# Altium PCB PCB1-nano-withlogo-SMT.PcbDoc (part 4 of 5)
Units mil, origin at the board's own origin, x right, y up, seen from the top; angles counter-clockwise.
Board outline 3300 x 2100 mil, 2 copper layers (Top Layer, Bottom Layer); 48 components, 47 nets, 232 pads, 66 vias.
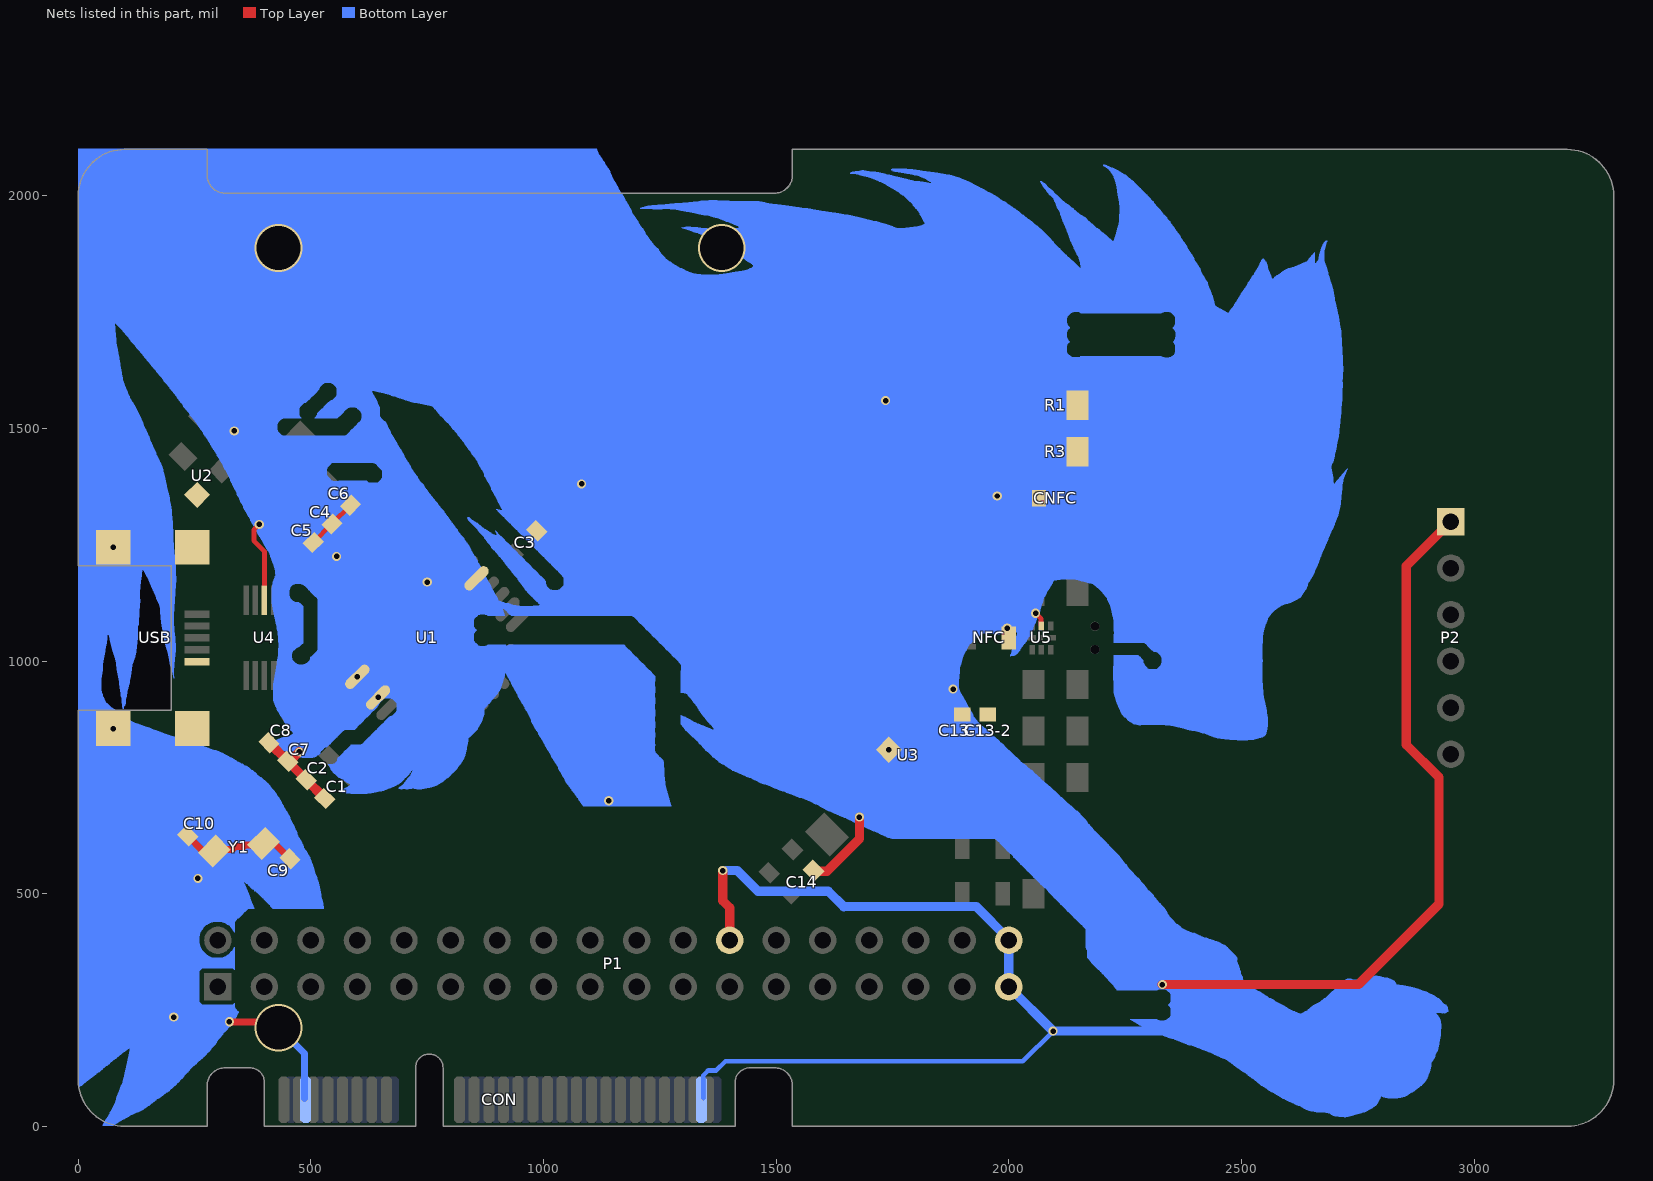
[diagram p4: the nets of this part, all layers, seen from the top]

## Via types
v1: diameter 19.68, hole 11.81, Top Layer to Bottom Layer, 55 vias
v2: diameter 20, hole 19.5, Top Layer to Bottom Layer, tented both sides, 8 vias
v3: diameter 102.36, hole 94.49, Top Layer to Bottom Layer, 3 vias

## Nets (pads, with @x,y where several pads share a name; then routed paths per layer and width w, separated by ;. In a path a pad name is that pad's centre, name@x,y a point inside that pad or via, vN(x,y) a via of type N, cw(c..) or ccw(c..) an arc to the next point about the centre after c; other vN are vias at no path point) (continued)
GND: (continued)
  Bottom Layer w1: 1059,726 1264,726 ; 1060,724 1265,724 ; 1060,725 1264,725 ; 1061,723 1265,723 ; 1062,722 1265,722 ; 1063,721 1265,721 ; 1064,719 1266,719 ; 1064,720 1266,720 ; 1065,718 1266,718 ; 1066,717 1266,717 ; 1067,715 1267,715 ; 1067,716 1267,716 ; 1068,714 1267,714 ; 1069,712 1268,712 ; 1069,713 1268,713 ; 1070,711 1268,711 ; 1071,709 1269,709 ; 1071,710 1268,710 ; 1072,708 1269,708 ; 1073,707 1269,707 ; 1074,705 1270,705 ; 1074,706 1269,706 ; 1075,704 1270,704 ; 1076,702 1270,702 ; 1076,703 1270,703 ; 1077,701 1271,701 ; 1078,700 1271,700 ; 1079,698 1271,698 ; 1079,699 1271,699 ; 1080,697 1272,697 ; 1081,695 1272,695 ; 1081,696 1272,696 ; 1082,693 1273,693 ; 1082,694 1273,694 ; 1083,692 1273,692 ; 1084,690 1274,690 ; 1084,691 1273,691 ; 1085,689 1274,689 ; 1191,1098 v1@2063,1098 ; 1193,1097 v1@2062,1097 ; 1194,1096 v1@2062,1096 ; 1195,1095 v1@2062,1095 ; 1196,1094 v1@2061,1094 ; 1197,1093 2061,1093 ; 1198,1092 2060,1092 ; 1199,1091 2060,1091 ; 1200,1090 2060,1090 ; 1201,1089 2059,1089 ; 1202,1088 2059,1088 ; 1203,1087 2059,1087 ; 1204,1086 2058,1086 ; 1205,1085 2058,1085 ; 1206,1084 2058,1084 ; 1207,1083 2057,1083 ; 1208,1082 2057,1082 ; 1208,1973 1209,1973 ; 1208,1974 1562,1974 ; 1209,1081 2056,1081 ; 1209,1975 1555,1975 ; 1210,1080 2056,1080 ; 1211,1079 2055,1079 ; 1212,1078 2055,1078 ; 1212,1976 1549,1976 ; 1213,1077 2054,1077 ; 1214,1076 2054,1076 ; 1214,1973 1568,1973 ; 1215,1075 2054,1075 ; 1216,1074 2053,1074 ; 1216,1977 1541,1977 ; 1217,1073 2053,1073 ; 1218,1072 2052,1072 ; 1219,1071 2052,1071 ; 1220,1070 2051,1070 ; 1220,1978 1534,1978 ; 1221,1069 2051,1069 ; 1222,1068 2050,1068 ; 1223,1067 2050,1067 ; 1224,1066 2049,1066 ; 1224,1979 1527,1979 ; 1225,1065 2049,1065 ; 1226,1064 2049,1064 ; 1227,1063 2048,1063 ; 1228,1062 1237,1071 ; 1229,1061 2004,1061 ; 1230,1060 1943,1060 ; 1231,1059 1942,1059 ; 1232,1058 1940,1058 ; 1232,1980 1519,1980 ; 1233,1057 1939,1057 ; 1234,1056 1938,1056 ; 1235,1055 1936,1055 ; 1235,1972 1255,1972 ; 1236,1054 1935,1054 ; 1237,1053 1934,1053 ; 1238,1052 1933,1052 ; 1239,1051 1931,1051 ; 1240,1050 1930,1050 ; 1241,1049 1929,1049 ; 1242,1048 1928,1048 ; 1243,1047 1927,1047 ; 1244,1046 1926,1046 ; 1245,1045 1925,1045 ; 1245,1981 1511,1981 ; 1246,1044 1923,1044 ; 1247,1043 1922,1043 ; 1248,1042 1921,1042 ; 1249,1041 1920,1041 ; 1250,1040 1919,1040 ; 1251,1039 1918,1039 ; 1252,1038 1917,1038 ; 1253,1037 1916,1037 ; 1254,1036 1915,1036 ; 1255,1035 1915,1035 ; 1256,1034 1914,1034 ; 1257,1033 1913,1033 ; 1258,1032 1913,1032 ; 1259,1031 1912,1031 ; 1260,1030 1912,1030 ; 1261,1029 1911,1029 ; 1262,1028 1911,1028 ; 1262,1982 1502,1982 ; 1263,1027 1910,1027 ; 1264,1026 1909,1026 ; 1265,1025 1909,1025 ; 1266,1024 1908,1024 ; 1267,1023 1908,1023 ; 1268,1022 1907,1022 ; 1269,1021 1906,1021 ; 1270,1020 1906,1020 ; 1271,1019 1905,1019 ; 1271,1983 1492,1983 ; 1272,1018 1905,1018 ; 1272,1972 1574,1972 ; 1273,1017 1904,1017 ; 1274,1016 1904,1016 ; 1275,1015 1903,1015 ; 1276,1014 1903,1014 ; 1277,1013 1902,1013 ; 1278,1012 1902,1012 ; 1279,1011 1902,1011 ; 1280,1010 1901,1010 ; 1281,1009 1901,1009 ; 1282,1008 1901,1008 ; 1282,1984 1484,1984 ; 1283,1007 1901,1007 ; 1284,1006 1900,1006 ; 1285,1005 1900,1005 ; 1285,1971 1579,1971 ; 1286,1004 1900,1004 ; 1287,1003 1900,1003 ; 1288,1002 1899,1002 ; 1289,1001 1899,1001 ; 1290,1000 1899,1000 ; 1290,1970 1585,1970 ; 1291,999 1899,999 ; 1292,998 1898,998 ; 1293,997 1898,997 ; 1294,996 1898,996 ; 1295,865 1333,865 ; 1295,866 1331,866 ; 1295,867 1329,867 ; 1295,868 1328,868 ; 1295,869 1326,869 ; 1295,870 1323,870 ; 1295,871 1321,871 ; 1295,872 1319,872 ; 1295,873 1317,873 ; 1295,874 1316,874 ; 1295,875 1314,875 ; 1295,876 1312,876 ; 1295,877 1310,877 ; 1295,878 1308,878 ; 1295,879 1306,879 ; 1295,880 1304,880 ; 1295,881 1302,881 ; 1295,882 1300,882 ; 1295,883 1298,883 ; 1295,884 1296,884 ; 1295,933 1896,933 ; 1295,934 1896,934 ; 1295,935 1895,935 ; 1295,936 1895,936 ; 1295,937 1894,937 ; 1295,938 1894,938 ; 1295,939 1893,939 ; 1295,940 1893,940 ; 1295,941 1893,941 ; 1295,942 1892,942 ; 1295,943 1892,943 ; 1295,944 1892,944 ; 1295,945 1892,945 ; 1295,946 1892,946 ; 1295,947 1892,947 ; 1295,948 1892,948 ; 1295,949 1892,949 ; 1295,950 1892,950 ; 1295,951 1892,951 ; 1295,952 1892,952 ; 1295,953 1892,953 ; 1295,954 1892,954 ; 1295,955 1892,955 ; 1295,956 1892,956 ; 1295,957 1892,957 ; 1295,958 1892,958 ; 1295,959 1892,959 ; 1295,960 1892,960 ; 1295,961 1892,961 ; 1295,962 1892,962 ; 1295,963 1893,963 ; 1295,964 1893,964 ; 1295,965 1893,965 ; 1295,966 1893,966 ; 1295,967 1893,967 ; 1295,968 1893,968 ; 1295,969 1893,969 ; 1295,970 1893,970 ; 1295,971 1893,971 ; 1295,972 1893,972 ; 1295,973 1893,973 ; 1295,974 1894,974 ; 1295,975 1894,975 ; 1295,976 1894,976 ; 1295,977 1894,977 ; 1295,978 1894,978 ; 1295,979 1894,979 ; 1295,993 1897,993 ; 1295,994 1898,994 ; 1295,995 1898,995 ; 1295,1969 1591,1969 ; 1296,864 1336,864 ; 1296,980 1894,980 ; 1296,981 1894,981 ; 1296,982 1894,982 ; 1296,983 1895,983 ; 1296,984 1895,984 ; 1296,985 1895,985 ; 1296,986 1895,986 ; 1296,987 1895,987 ; 1296,988 1895,988 ; 1296,989 1896,989 ; 1296,990 1896,990 ; 1296,991 1896,991 ; 1296,992 1897,992 ; 1297,863 1338,863 ; 1297,1933 1298,1933 ; 1298,861 1344,861 ; 1298,862 1341,862 ; 1298,1932 1338,1932 ; 1299,860 1346,860 ; 1299,1985 1479,1985 ; 1300,859 1349,859 ; 1301,858 1352,858 ; 1301,1931 1343,1931 ; 1301,1933 1331,1933 ; 1301,1968 1597,1968 ; 1302,856 1357,856 ; 1302,857 1354,857 ; 1302,932 1897,932 ; 1303,855 1359,855 ; 1303,1930 1351,1930 ; 1304,854 1361,854 ; 1305,853 1952,853 ; 1306,852 1953,852 ; 1306,1929 v3@1361,1929 ; 1306,1934 1316,1934 ; 1307,851 1954,851 ; 1307,931 1897,931 ; 1307,1967 1605,1967 ; 1308,850 1955,850 ; 1309,849 1956,849 ; 1309,930 1898,930 ; 1309,1928 2070,1928 ; 1310,848 1957,848 ; 1310,928 1899,928 ; 1310,929 1899,929 ; 1311,847 1959,847 ; 1311,927 1900,927 ; 1312,846 1960,846 ; 1312,925 1901,925 ; 1312,926 1900,926 ; 1312,1927 2071,1927 ; 1312,1986 1475,1986 ; 1313,845 1961,845 ; 1313,924 1901,924 ; 1314,844 1962,844 ; 1314,923 1902,923 ; 1314,1966 1612,1966 ; 1315,843 1963,843 ; 1315,922 1902,922 ; 1315,1926 2072,1926 ; 1316,842 1964,842 ; 1316,920 1903,920 ; 1316,921 1903,921 ; 1317,841 1965,841 ; 1317,919 1904,919 ; 1318,840 1966,840 ; 1318,918 1904,918 ; 1318,1925 2073,1925 ; 1319,917 1905,917 ; 1320,839 1967,839 ; 1320,916 1906,916 ; 1320,1965 1619,1965 ; 1321,838 1969,838 ; 1321,915 1906,915 ; 1321,1924 2074,1924 ; 1322,837 1970,837 ; 1322,913 1907,913 ; 1322,914 1907,914 ; 1322,1987 1470,1987 ; 1323,836 1971,836 ; 1323,912 1908,912 ; 1323,1923 2075,1923 ; 1324,835 1972,835 ; 1324,911 1908,911 ; 1325,834 1973,834 ; 1325,909 1909,909 ; 1325,910 1909,910 ; 1325,1964 1628,1964 ; 1326,833 1974,833 ; 1326,908 1910,908 ; 1327,832 1976,832 ; 1327,906 1911,906 ; 1327,907 1911,907 ; 1327,1922 2076,1922 ; 1328,831 1977,831 ; 1328,905 1912,905 ; 1329,830 1978,830 ; 1329,904 1912,904 ; 1329,1963 1634,1963 ; 1330,902 1913,902 ; 1330,903 1913,903 ; 1331,828 1980,828 ; 1331,829 1979,829 ; 1331,900 1914,900 ; 1331,901 1914,901 ; 1332,827 1981,827 ; 1332,899 1915,899 ; 1332,1921 2077,1921 ; 1333,826 1982,826 ; 1333,897 1916,897 ; 1333,898 1915,898 ; 1333,1920 2078,1920 ; 1333,1962 1640,1962 ; 1334,825 1984,825 ; 1334,896 1917,896 ; 1334,1988 1464,1988 ; 1335,824 1985,824 ; 1335,894 1918,894 ; 1335,895 1917,895 ; 1335,1989 1453,1989 ; 1336,823 1986,823 ; 1336,893 1918,893 ; 1337,822 1987,822 ; 1337,891 1919,891 ; 1337,892 1919,892 ; 1337,1919 2079,1919 ; 1338,821 1988,821 ; 1338,890 1920,890 ; 1338,1990 1399,1990 ; 1339,820 1989,820 ; 1339,888 1921,888 ; 1339,889 1921,889 ; 1339,1961 1645,1961 ; 1340,819 1990,819 ; 1340,887 1922,887 ; 1340,1918 2080,1918 ; 1341,817 1991,817 ; 1341,818 1990,818 ; 1341,886 1922,886 ; 1342,816 1992,816 ; 1342,884 1923,884 ; 1342,885 1923,885 ; 1343,815 1993,815 ; 1343,883 1924,883 ; v3@1343,1917 2081,1917 ; 1344,814 1994,814 ; 1344,882 1924,882 ; 1344,1960 1649,1960 ; 1345,813 1995,813 ; 1345,881 1925,881 ; v3@1345,1916 2082,1916 ; 1346,812 1997,812 ; 1346,879 1926,879 ; 1346,880 1925,880 ; 1347,811 1998,811 ; 1347,878 1927,878 ; v3@1347,1915 2083,1915 ; 1348,810 1999,810 ; 1348,877 1928,877 ; 1349,809 2000,809 ; 1349,876 1928,876 ; v3@1349,1914 2084,1914 ; 1350,808 2001,808 ; 1350,875 1929,875 ; v3@1350,1913 2085,1913 ; 1351,807 2002,807 ; 1351,873 1931,873 ; 1351,874 1930,874 ; 1351,1959 1655,1959 ; 1352,806 2003,806 ; 1352,872 1932,872 ; v3@1352,1912 2086,1912 ; 1353,871 1932,871 ; 1354,805 2004,805 ; 1354,870 1933,870 ; v3@1354,1911 2087,1911 ; 1355,804 2005,804 ; 1355,869 1934,869 ; 1355,1958 1660,1958 ; 1355,1991 1373,1991 ; 1356,803 2006,803 ; 1356,868 1935,868 ; v3@1356,1910 2088,1910 ; 1357,802 2007,802 ; 1357,866 1937,866 ; 1357,867 1936,867 ; 1358,801 2008,801 ; 1358,865 1938,865 ; v3@1358,1909 2089,1909 ; 1358,1957 1664,1957 ; 1359,800 2009,800 ; 1359,864 1939,864 ; 1360,799 2011,799 ; 1360,863 1940,863 ; v3@1360,1908 2090,1908 ; 1361,798 2012,798 ; 1361,862 1941,862 ; 1361,1956 1669,1956 ; 1362,797 2013,797 ; 1362,861 1942,861 ; v3@1362,1907 2091,1907 ; 1363,796 2014,796 ; 1363,860 1944,860 ; 1364,795 2015,795 ; 1364,859 1945,859 ; v3@1364,1906 2091,1906 ; 1365,858 1946,858 ; 1365,1955 1674,1955 ; 1366,794 2016,794 ; 1366,854 1951,854 ; 1366,855 1950,855 ; 1366,856 1949,856 ; 1366,857 1947,857 ; v3@1366,1905 2092,1905 ; 1367,793 2017,793 ; 1368,792 2018,792 ; v3@1368,1904 2093,1904 ; 1369,791 2019,791 ; v3@1369,1903 2094,1903 ; 1369,1954 1678,1954 ; 1370,790 2020,790 ; 1371,789 2021,789 ; v3@1371,1902 2095,1902 ; 1373,788 2022,788 ; v3@1373,1901 2096,1901 ; 1374,787 2023,787 ; 1374,1953 1683,1953 ; 1375,786 2024,786 ; v3@1375,1900 2097,1900 ; 1376,785 2025,785 ; 1377,784 2026,784 ; v3@1377,1899 2097,1899 ; 1378,1832 2416,1832 ; 1378,1952 1687,1952 ; 1379,783 2028,783 ; v3@1379,1898 2098,1898 ; 1380,1951 1691,1951 ; 1381,782 2029,782 ; v3@1381,1897 2099,1897 ; 1382,781 2030,781 ; v3@1383,1896 2100,1896 ; 1383,1950 1695,1950 ; 1384,780 2031,780 ; v3@1384,1895 2101,1895 ; 1385,779 2032,779 ; 1385,1949 1700,1949 ; 1386,1833 2416,1833 ; v3@1386,1894 2102,1894 ; v3@1386,1929 2068,1929 ; 1387,778 2034,778 ; v3@1388,1893 2103,1893 ; 1388,1948 1704,1948 ; 1389,777 2035,777 ; v3@1390,1892 2104,1892 ; 1390,1947 1708,1947 ; 1391,776 2036,776 ; v3@1391,1891 2105,1891 ; 1392,775 2038,775 ; v3@1393,1890 2106,1890 ; 1393,1946 1712,1946 ; 1394,774 2039,774 ; 1394,1834 2415,1834 ; v3@1394,1889 2107,1889 ; 1395,773 2040,773 ; 1395,1945 1716,1945 ; v3@1396,1888 2108,1888 ; 1397,772 2041,772 ; v3@1397,1887 2109,1887 ; 1398,771 2042,771 ; 1398,1944 1719,1944 ; v3@1399,1886 2110,1886 ; v3@1399,1930 2067,1930 ; 1400,770 2044,770 ; 1400,1835 2415,1835 ; v3@1400,1885 2111,1885 ; 1400,1943 1723,1943 ; v3@1401,1884 2112,1884 ; 1402,769 2045,769 ; 1402,1942 1726,1942 ; 1403,768 2046,768 ; v3@1403,1883 2113,1883 ; v3@1404,1931 2066,1931 ; 1405,767 2048,767 ; v3@1405,1882 2114,1882 ; 1405,1941 1730,1941 ; 1406,766 2049,766 ; 1406,1836 2414,1836 ; v3@1407,1881 2115,1881 ; 1408,765 2050,765 ; v3@1408,1880 2116,1880 ; 1408,1940 1734,1940 ; 1410,764 2051,764 ; v3@1410,1879 2117,1879 ; 1410,1939 1738,1939 ; 1412,763 2052,763 ; 1412,1837 2414,1837 ; v3@1412,1878 2118,1878 ; 1413,1938 1741,1938 ; v3@1414,1877 2119,1877 ; 1415,762 2053,762 ; v3@1415,1876 2120,1876 ; 1415,1937 1744,1937 ; 1417,761 2054,761 ; v3@1417,1875 2121,1875 ; v3@1418,1874 2122,1874 ; 1418,1936 1747,1936 ; 1420,760 2055,760 ; 1420,1838 2413,1838 ; v3@1420,1873 2123,1873 ; 1420,1932 1758,1932 ; 1420,1933 1755,1933 ; 1420,1934 1752,1934 ; 1420,1935 1750,1935 ; 1422,759 2056,759 ; v3@1422,1872 2124,1872 ; v3@1423,1871 2125,1871 ; 1425,758 2057,758 ; v3@1425,1870 2126,1870 ; v3@1426,1869 2127,1869 ; 1427,757 2059,757 ; 1427,1839 2413,1839 ; v3@1428,1868 2129,1868 ; 1429,756 2060,756 ; v3@1429,1867 2130,1867 ; 1430,1866 2131,1866 ; 1432,755 2061,755 ; 1432,1840 2412,1840 ; 1432,1865 2132,1865 ; 1433,1864 2133,1864 ; 1434,754 2062,754 ; 1435,1863 2134,1863 ; 1436,753 2063,753 ; 1436,1862 2135,1862 ; 1437,1841 2412,1841 ; 1438,1861 2137,1861 ; 1439,752 2064,752 ; 1439,1860 2138,1860 ; 1440,1842 2411,1842 ; 1441,1859 2139,1859 ; 1442,751 2065,751 ; 1442,1843 2411,1843 ; 1442,1858 2140,1858 ; 1443,1844 2411,1844 ; 1443,1857 2141,1857 ; 1444,750 2066,750 ; 1445,1845 2410,1845 ; 1445,1856 2142,1856 ; 1446,749 2067,749 ; 1446,1855 2143,1855 ; 1447,1846 2152,1846 ; 1448,748 2068,748 ; 1448,1847 2151,1847 ; 1448,1854 2144,1854 ; 1449,1853 2145,1853 ; 1450,747 2069,747 ; 1450,1848 2150,1848 ; 1451,1849 2149,1849 ; 1451,1850 2148,1850 ; 1451,1851 2147,1851 ; 1451,1852 2146,1852 ; 1452,746 2070,746 ; 1454,745 2071,745 ; 1457,744 2072,744 ; 1459,743 2074,743 ; 1461,742 2075,742 ; 1463,741 2076,741 ; 1465,740 2077,740 ; 1467,739 2078,739 ; 1470,738 2079,738 ; 1473,737 2080,737 ; 1476,736 2081,736 ; 1479,735 2083,735 ; 1482,734 2084,734 ; 1484,733 2085,733 ; 1487,732 2086,732 ; 1489,731 2088,731 ; 1491,730 2089,730 ; 1494,729 2090,729 ; 1496,728 2091,728 ; 1499,727 2092,727 ; 1502,726 2093,726 ; 1504,725 2094,725 ; 1507,724 2095,724 ; 1510,723 2096,723 ; 1513,722 2098,722 ; 1516,721 2099,721 ; 1518,720 2100,720 ; 1520,719 2101,719 ; 1522,718 2102,718 ; 1525,717 2103,717 ; 1528,716 2104,716 ; 1531,715 2105,715 ; 1534,714 2106,714 ; 1537,713 2107,713 ; 1540,712 2108,712 ; 1542,711 2109,711 ; 1544,710 2110,710 ; 1547,709 2111,709 ; 1550,708 2112,708 ; 1553,707 2114,707 ; 1556,706 2115,706 ; 1559,705 2116,705 ; 1561,704 2117,704 ; 1564,703 2118,703 ; 1567,702 2119,702 ; 1569,701 2120,701 ; 1572,700 2121,700 ; 1574,699 2122,699 ; 1576,698 2123,698 ; 1578,697 2125,697 ; 1580,696 2126,696 ; 1582,695 2127,695 ; 1584,694 2128,694 ; 1586,693 2129,693 ; 1588,692 2130,692 ; 1590,691 2131,691 ; 1592,690 2132,690 ; 1594,689 2134,689 ; 1595,688 2135,688 ; 1597,687 2136,687 ; 1599,686 2137,686 ; 1601,685 2138,685 ; 1603,684 2140,684 ; 1605,683 2141,683 ; 1607,682 2142,682 ; 1609,681 2143,681 ; 1611,680 2144,680 ; 1613,679 2145,679 ; 1615,678 2147,678 ; 1617,677 2148,677 ; 1619,676 2149,676 ; 1621,675 2150,675 ; 1624,674 2151,674 ; 1626,673 2152,673 ; 1629,672 2153,672 ; 1631,671 2154,671 ; 1634,670 2155,670 ; 1636,669 2156,669 ; 1639,668 2157,668 ; 1641,667 2158,667 ; 1644,666 2159,666 ; 1646,665 2160,665 ; 1648,664 2160,664 ; 1650,663 2161,663 ; 1652,662 2162,662 ; 1654,661 2163,661 ; 1656,660 2164,660 ; 1658,659 2165,659 ; 1659,2049 1730,2049 ; 1659,2050 1725,2050 ; 1661,658 2166,658 ; 1661,2051 1720,2051 ; 1663,657 2166,657 ; 1663,2052 1714,2052 ; 1665,656 2167,656 ; 1667,655 2168,655 ; 1669,654 2169,654 ; 1670,2053 1700,2053 ; 1671,653 2170,653 ; 1672,2048 1734,2048 ; 1673,652 2170,652 ; 1675,651 2171,651 ; 1677,650 2172,650 ; 1677,2047 1737,2047 ; 1679,649 2173,649 ; 1680,2046 1741,2046 ; 1680,2054 1693,2054 ; 1681,648 2174,648 ; 1682,2045 1744,2045 ; 1684,647 2174,647 ; 1684,2044 1748,2044 ; 1684,2055 1688,2055 ; 1686,646 2175,646 ; 1688,645 2176,645 ; 1688,2043 1752,2043 ; 1690,644 2177,644 ; 1692,643 2178,643 ; 1693,2042 1756,2042 ; 1695,642 2179,642 ; 1697,641 2180,641 ; 1698,2041 1761,2041 ; 1699,640 2180,640 ; 1701,2040 1766,2040 ; 1702,639 2181,639 ; 1704,638 2182,638 ; 1704,2039 1770,2039 ; 1706,637 2183,637 ; 1707,2038 1774,2038 ; 1709,636 2184,636 ; 1710,2037 1779,2037 ; 1711,635 2185,635 ; 1713,634 2186,634 ; 1713,2036 1783,2036 ; 1715,633 2187,633 ; 1715,2035 1787,2035 ; 1718,632 2188,632 ; 1718,2034 1792,2034 ; 1720,631 2189,631 ; 1720,2033 1796,2033 ; 1722,630 2190,630 ; 1722,2032 1801,2032 ; 1724,629 2191,629 ; 1724,2031 1808,2031 ; 1726,628 2192,628 ; 1726,2030 1816,2030 ; 1728,2029 1822,2029 ; 1729,627 2193,627 ; 1730,2028 1828,2028 ; 1731,626 2194,626 ; 1732,2027 1921,2027 ; 1733,625 2195,625 ; 1734,2026 1922,2026 ; 1736,624 2196,624 ; 1736,2025 1925,2025 ; 1738,623 2197,623 ; 1738,2024 1927,2024 ; 1739,2023 1929,2023 ; 1740,622 2198,622 ; 1741,2022 1931,2022 ; 1743,621 2199,621 ; 1743,2021 1933,2021 ; 1745,620 2200,620 ; 1745,2020 1935,2020 ; 1746,2019 1937,2019 ; 1747,2056 1801,2056 ; 1747,2057 1794,2057 ; 1748,619 2201,619 ; 1748,2018 1939,2018 ; 1749,2058 1781,2058 ; 1750,2017 1940,2017 ; 1750,2055 1808,2055 ; 1751,2016 1942,2016 ; 1751,2054 1814,2054 ; 1753,2015 1944,2015 ; 1754,2014 1946,2014 ; 1755,2053 1822,2053 ; 1756,2013 1948,2013 ; 1758,2012 1949,2012 ; 1759,2011 1951,2011 ; 1761,2010 1953,2010 ; 1762,2052 1831,2052 ; 1763,2009 1955,2009 ; 1764,2008 1958,2008 ; 1766,2007 1960,2007 ; 1767,2006 1962,2006 ; 1768,2005 1964,2005 ; 1769,2051 1840,2051 ; 1770,2004 1965,2004 ; 1771,2003 1967,2003 ; 1772,2002 1968,2002 ; 1774,2001 1970,2001 ; 1775,2000 1972,2000 ; 1775,2050 1847,2050 ; 1776,1999 1973,1999 ; 1777,1998 1975,1998 ; 1778,1932 2065,1932 ; 1778,1997 1976,1997 ; 1780,1996 1978,1996 ; 1781,1995 1979,1995 ; 1781,2049 1853,2049 ; 1782,1994 1981,1994 ; 1783,1993 1982,1993 ; 1784,1992 1984,1992 ; 1785,1991 1985,1991 ; 1786,1990 1987,1990 ; 1787,1933 2064,1933 ; 1787,1989 1988,1989 ; 1788,1988 1990,1988 ; 1788,2048 1859,2048 ; 1789,1987 1992,1987 ; 1790,1986 1993,1986 ; 1791,1985 1995,1985 ; 1792,1984 1996,1984 ; 1793,1983 1998,1983 ; 1793,2047 1864,2047 ; 1794,1981 2001,1981 ; 1794,1982 1999,1982 ; 1795,1980 2002,1980 ; 1796,1934 2063,1934 ; 1796,1979 2004,1979 ; 1797,1978 2005,1978 ; 1797,2046 1869,2046 ; 1798,1977 2007,1977 ; 1799,1975 2009,1975 ; 1799,1976 2008,1976 ; 1800,1974 2011,1974 ; 1801,1973 2012,1973 ; 1801,2045 1873,2045 ; 1802,1972 2014,1972 ; 1803,1970 2016,1970 ; 1803,1971 2015,1971 ; 1804,1935 2062,1935 ; 1804,1969 2018,1969 ; 1804,2044 1877,2044 ; 1805,1968 2019,1968 ; 1806,1966 2022,1966 ; 1806,1967 2021,1967 ; 1807,1965 2023,1965 ; 1807,2043 1880,2043 ; 1808,1963 2026,1963 ; 1808,1964 2025,1964 ; 1809,1936 2061,1936 ; 1809,1961 2028,1961 ; 1809,1962 2027,1962 ; 1810,1960 2030,1960 ; 1810,2042 1884,2042 ; 1811,1958 2032,1958 ; 1811,1959 2031,1959 ; 1812,1956 2034,1956 ; 1812,1957 2033,1957 ; 1812,2041 1887,2041 ; 1813,1937 2059,1937 ; 1813,1954 2037,1954 ; 1813,1955 2035,1955 ; 1814,1952 2040,1952 ; 1814,1953 2038,1953 ; 1815,1938 2058,1938 ; 1815,1950 2043,1950 ; 1815,1951 2041,1951 ; 1815,2040 1891,2040 ; 1816,1948 2046,1948 ; 1816,1949 2045,1949 ; 1817,1939 2056,1939 ; 1817,1946 2048,1946 ; 1817,1947 2047,1947 ; 1817,2039 1894,2039 ; 1818,1944 2050,1944 ; 1818,1945 2049,1945 ; 1819,1940 2055,1940 ; 1819,1941 2054,1941 ; 1819,1942 2053,1942 ; 1819,1943 2051,1943 ; 1820,2038 1897,2038 ; 1822,2037 1899,2037 ; 1824,2036 1902,2036 ; 1825,2035 1904,2035 ; 1827,2034 1907,2034 ; 1829,2033 1909,2033 ; 1830,2032 1911,2032 ; 1832,2031 1913,2031 ; 1833,2028 1919,2028 ; 1833,2029 1917,2029 ; 1833,2030 1915,2030 ; 1840.75,753 1782.16,811.59 v1@1750.77,811.59 ; 1840.75,754 1783.16,811.59 v1@1750.77,811.59 ; 1840.75,755 1784.16,811.59 v1@1750.77,811.59 ; 1840.75,756 1785.16,811.59 v1@1750.77,811.59 ; 1840.75,757 1786.16,811.59 v1@1750.77,811.59 ; 1840.75,758 1787.16,811.59 v1@1750.77,811.59 ; 1840.75,759 1788.16,811.59 v1@1750.77,811.59 ; 1840.75,760 1789.16,811.59 v1@1750.77,811.59 ; 1840.75,761 1790.16,811.59 v1@1750.77,811.59 ; 1840.75,762 1791.16,811.59 v1@1750.77,811.59 ; 1840.75,763 1792.16,811.59 v1@1750.77,811.59 ; 1840.75,764 1793.16,811.59 v1@1750.77,811.59 ; 1840.75,765 1794.16,811.59 v1@1750.77,811.59 ; 1840.75,766 1795.16,811.59 v1@1750.77,811.59 ; 1840.75,767 1796.16,811.59 v1@1750.77,811.59 ; 1840.75,768 1797.16,811.59 v1@1750.77,811.59 ; 1840.75,769 1798.16,811.59 v1@1750.77,811.59 ; 1949,1060 1996,1060 ; 1968,1059 1979,1059 ; 1971,618 2202,618 ; 1973,617 2203,617 ; 1974,616 2204,616 ; 1975,615 2205,615 ; 1976,614 2206,614 ; 1977,613 2207,613 ; 1979,612 2208,612 ; 1980,611 2209,611 ; 1981,610 2210,610 ; 1982,609 2211,609 ; 1983,608 2212,608 ; 1984,606 2214,606 ; 1984,607 2213,607 ; 1985,605 2215,605 ; 1986,604 2215,604 ; 1987,603 2216,603 ; 1988,602 2217,602 ; 1989,601 2218,601 ; 1990,600 2219,600 ; 1991,599 2220,599 ; 1992,598 2221,598 ; 1993,597 2222,597 ; 1994,596 2223,596 ; 1995,595 2224,595 ; 1996,594 2225,594 ; 1997,593 2226,593 ; 1998,592 2227,592 ; 1999,591 2228,591 ; 2000,590 2229,590 ; 2001,589 2230,589 ; 2002,588 2231,588 ; 2003,587 2232,587 ; 2003,1012 2004,1012 